# KiCad board board.kicad_pcb (continued)
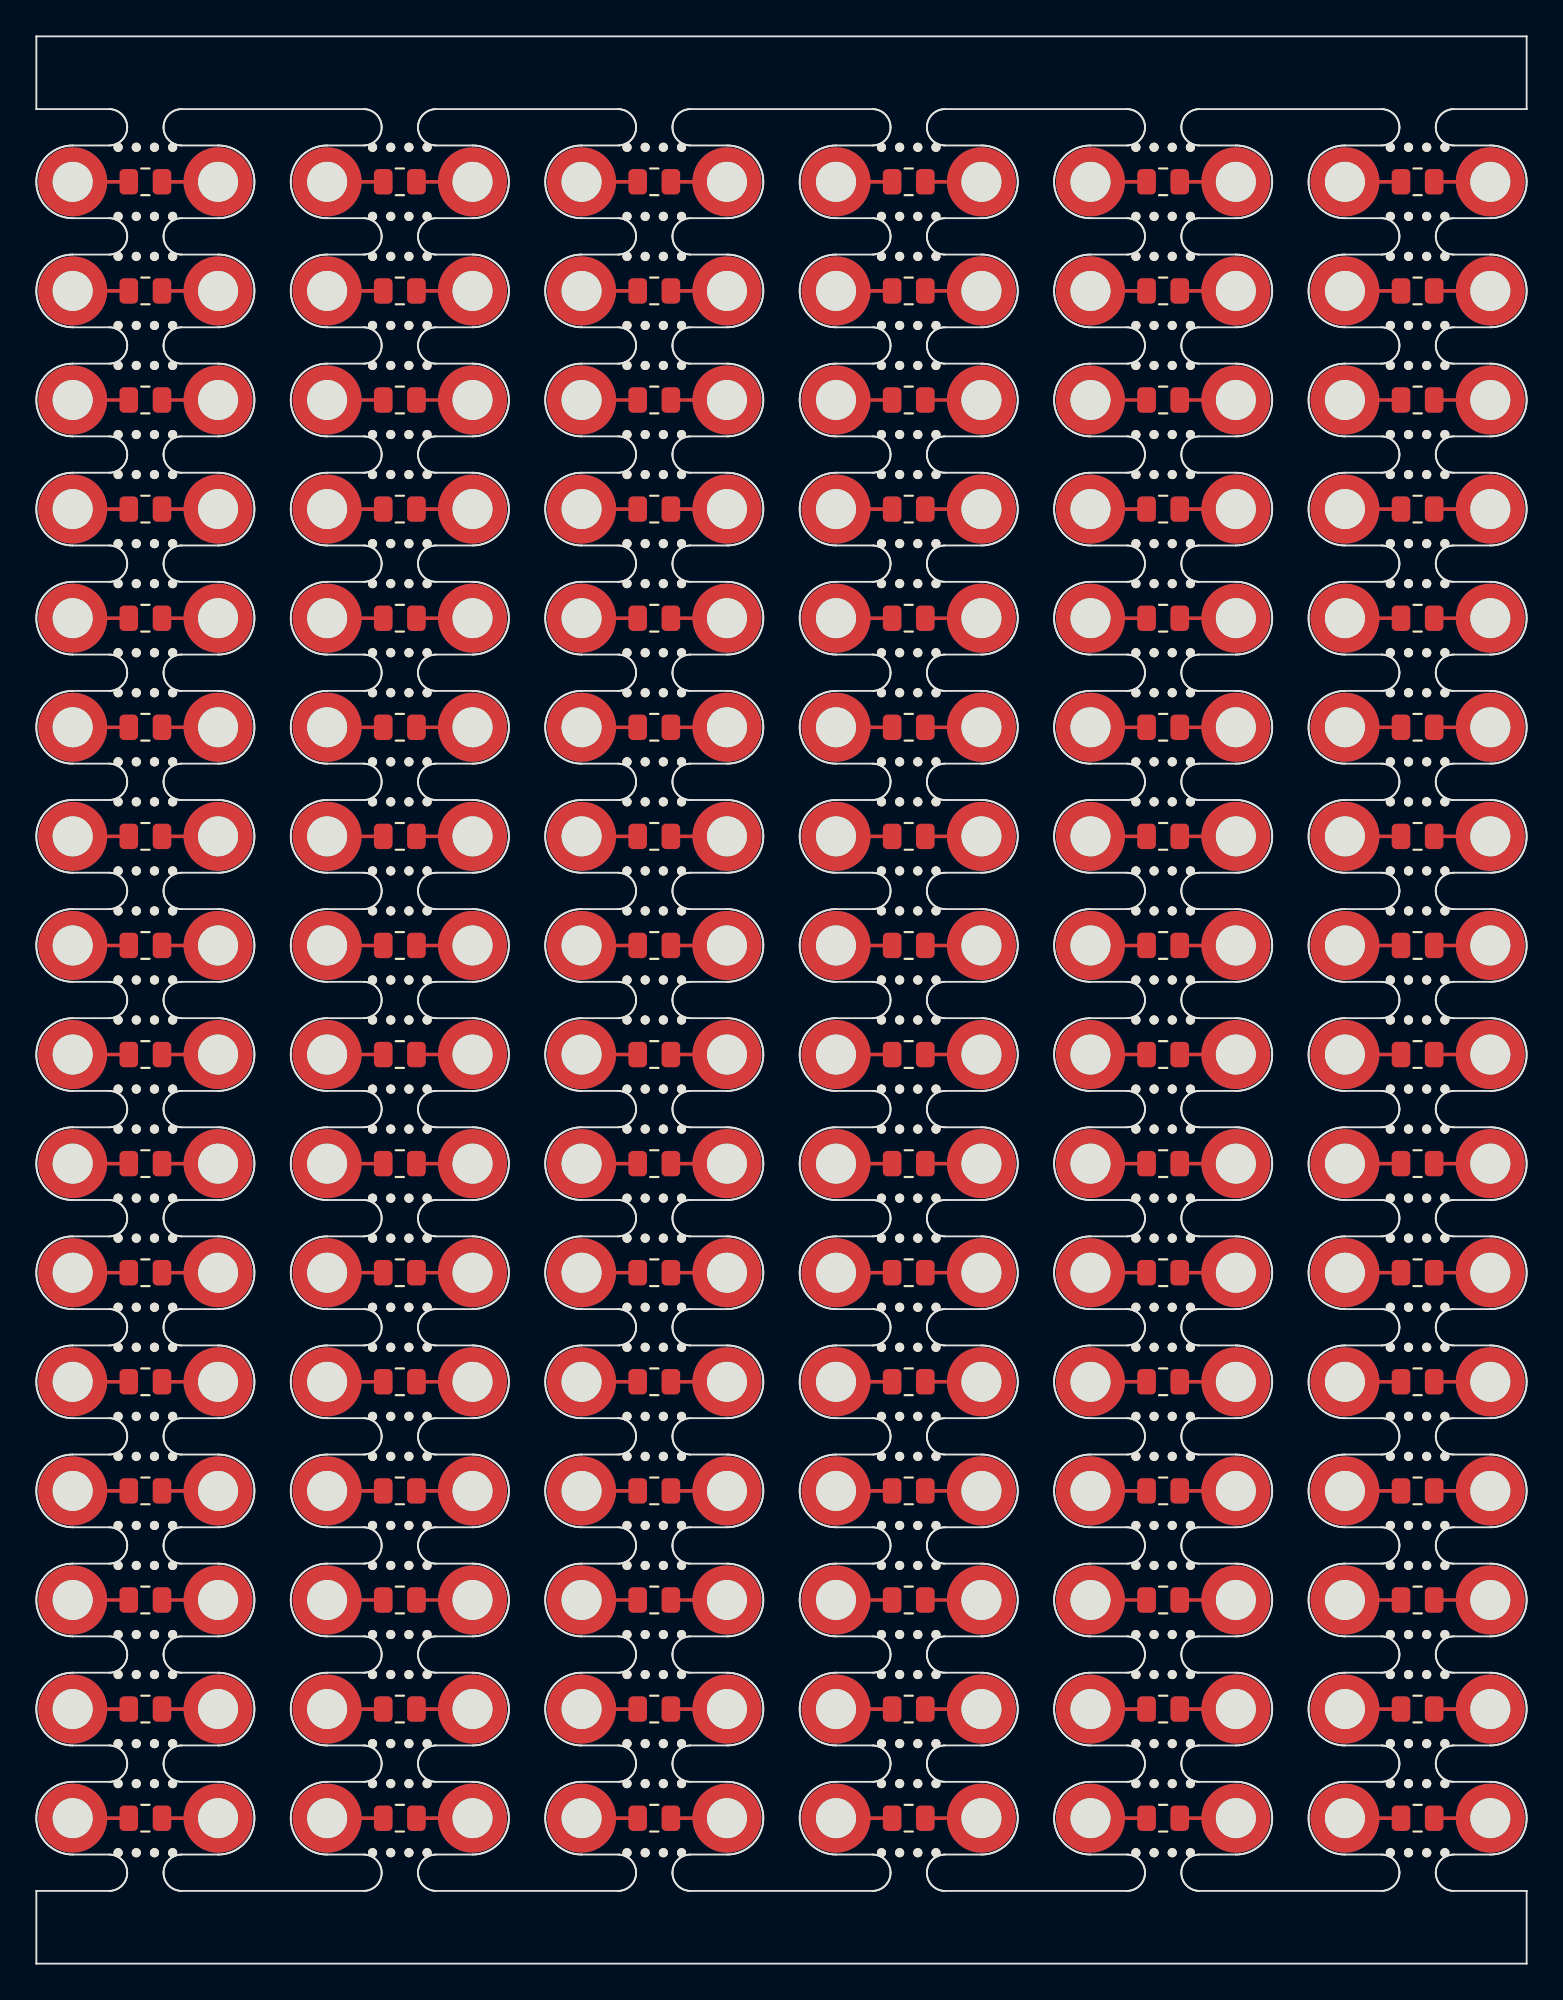
[diagram p0: board, top side]
## Placement (name value [footprint] x y rotation side) (continued)
R1#75  N/A  [R_0805_2012Metric]  62 50 0 top
R1#76  N/A  [R_0805_2012Metric]  76 8 0 top
R1#77  N/A  [R_0805_2012Metric]  20 20 0 top
R1#78  N/A  [R_0805_2012Metric]  6 14 0 top
R1#79  N/A  [R_0805_2012Metric]  20 80 0 top
R1#80  N/A  [R_0805_2012Metric]  6 68 0 top
R1#81  N/A  [R_0805_2012Metric]  34 98 0 top
R1#82  N/A  [R_0805_2012Metric]  20 38 0 top
R1#83  N/A  [R_0805_2012Metric]  6 80 0 top
R1#84  N/A  [R_0805_2012Metric]  20 56 0 top
R1#85  N/A  [R_0805_2012Metric]  48 92 0 top
R1#86  N/A  [R_0805_2012Metric]  76 14 0 top
R1#87  N/A  [R_0805_2012Metric]  34 86 0 top
R1#88  N/A  [R_0805_2012Metric]  48 38 0 top
R1#89  N/A  [R_0805_2012Metric]  62 92 0 top
R1#90  N/A  [R_0805_2012Metric]  34 74 0 top
R1#91  N/A  [R_0805_2012Metric]  62 32 0 top
R1#92  N/A  [R_0805_2012Metric]  62 98 0 top
R1#93  N/A  [R_0805_2012Metric]  48 50 0 top
R1#94  N/A  [R_0805_2012Metric]  62 20 0 top
R1#95  N/A  [R_0805_2012Metric]  34 44 0 top
R1#96  N/A  [R_0805_2012Metric]  6 74 0 top

## Library data of the parts
H1 H1#2-H1#96 H2 H2#2-H2#96 = -: Description: Mounting Hole with connection; KiLib_Generator: mounting_hardware/mounting_hole; ki_fp_filters: MountingHole*Pad*
R1 R1#2-R1#96 = -: Description: Resistor, US symbol; KiLib_Generator: SMD_2terminal_chip_molded; ki_fp_filters: R_*

## Footprints (pads in the part's own frame, mm; a bottom-side part is the same pattern mirrored in y, then rotated)
MountingHole_2.2mm_M2_DIN965_Pad
  round 3.8 hole 2.2: 1(0,0)
NPTH
  round 0.5 hole 0.5 unplated: (0,0)
R_0805_2012Metric
  rrect 1.025x1.4 smd: 1(-0.912,0) 2(0.912,0)

## Nets
Board_0-Net-(H1-Pad1): H1#12.1 R1#7.1
Board_0-Net-(H2-Pad1): H2#38.1 R1#7.2
Board_1-Net-(H1-Pad1): H1#64.1 R1#35.1
Board_1-Net-(H2-Pad1): H2#70.1 R1#35.2
Board_2-Net-(H1-Pad1): H1#86.1 R1#81.1
Board_2-Net-(H2-Pad1): H2#55.1 R1#81.2
Board_3-Net-(H1-Pad1): H1#23.1 R1#54.1
Board_3-Net-(H2-Pad1): H2#67.1 R1#54.2
Board_4-Net-(H1-Pad1): H1#93.1 R1#92.1
Board_4-Net-(H2-Pad1): H2#11.1 R1#92.2
Board_5-Net-(H1-Pad1): H1#51.1 R1#49.1
Board_5-Net-(H2-Pad1): H2.1 R1#49.2
Board_6-Net-(H1-Pad1): H1#78.1 R1#62.1
Board_6-Net-(H2-Pad1): H2#78.1 R1#62.2
Board_7-Net-(H1-Pad1): H1#94.1 R1#31.1
Board_7-Net-(H2-Pad1): H2#6.1 R1#31.2
Board_8-Net-(H1-Pad1): H1#37.1 R1#56.1
Board_8-Net-(H2-Pad1): H2#26.1 R1#56.2
Board_9-Net-(H1-Pad1): H1#74.1 R1#85.1
Board_9-Net-(H2-Pad1): H2#4.1 R1#85.2
Board_10-Net-(H1-Pad1): H1#27.1 R1#89.1
Board_10-Net-(H2-Pad1): H2#44.1 R1#89.2
Board_11-Net-(H1-Pad1): H1#56.1 R1#29.1
Board_11-Net-(H2-Pad1): H2#5.1 R1#29.2
Board_12-Net-(H1-Pad1): H1#43.1 R1#46.1
Board_12-Net-(H2-Pad1): H2#74.1 R1#46.2
Board_13-Net-(H1-Pad1): H1#53.1 R1#72.1
Board_13-Net-(H2-Pad1): H2#77.1 R1#72.2
Board_14-Net-(H1-Pad1): H1#65.1 R1#87.1
Board_14-Net-(H2-Pad1): H2#82.1 R1#87.2
Board_15-Net-(H1-Pad1): H1#7.1 R1#33.1
Board_15-Net-(H2-Pad1): H2#32.1 R1#33.2
Board_16-Net-(H1-Pad1): H1#68.1 R1#25.1
Board_16-Net-(H2-Pad1): H2#21.1 R1#25.2
Board_17-Net-(H1-Pad1): H1#46.1 R1#26.1
Board_17-Net-(H2-Pad1): H2#22.1 R1#26.2
Board_18-Net-(H1-Pad1): H1#77.1 R1#83.1
Board_18-Net-(H2-Pad1): H2#57.1 R1#83.2
Board_19-Net-(H1-Pad1): H1#18.1 R1#79.1
Board_19-Net-(H2-Pad1): H2#46.1 R1#79.2
Board_20-Net-(H1-Pad1): H1#45.1 R1#18.1
Board_20-Net-(H2-Pad1): H2#69.1 R1#18.2
Board_21-Net-(H1-Pad1): H1#57.1 R1#38.1
Board_21-Net-(H2-Pad1): H2#85.1 R1#38.2
Board_22-Net-(H1-Pad1): H1#13.1 R1#13.1
Board_22-Net-(H2-Pad1): H2#95.1 R1#13.2
Board_23-Net-(H1-Pad1): H1#42.1 R1#67.1
Board_23-Net-(H2-Pad1): H2#39.1 R1#67.2
Board_24-Net-(H1-Pad1): H1#49.1 R1#96.1
Board_24-Net-(H2-Pad1): H2#89.1 R1#96.2
Board_25-Net-(H1-Pad1): H1#76.1 R1#50.1
Board_25-Net-(H2-Pad1): H2#10.1 R1#50.2
Board_26-Net-(H1-Pad1): H1#90.1 R1#90.1
Board_26-Net-(H2-Pad1): H2#62.1 R1#90.2
Board_27-Net-(H1-Pad1): H1#19.1 R1#14.1
Board_27-Net-(H2-Pad1): H2#37.1 R1#14.2
Board_28-Net-(H1-Pad1): H1#22.1 R1#52.1
Board_28-Net-(H2-Pad1): H2#53.1 R1#52.2
Board_29-Net-(H1-Pad1): H1#48.1 R1#66.1
Board_29-Net-(H2-Pad1): H2#59.1 R1#66.2
Board_30-Net-(H1-Pad1): H1#21.1 R1#80.1
Board_30-Net-(H2-Pad1): H2#17.1 R1#80.2
Board_31-Net-(H1-Pad1): H1#17.1 R1#43.1
Board_31-Net-(H2-Pad1): H2#2.1 R1#43.2
Board_32-Net-(H1-Pad1): H1#29.1 R1#42.1
Board_32-Net-(H2-Pad1): H2#96.1 R1#42.2
Board_33-Net-(H1-Pad1): H1#10.1 R1#5.1
Board_33-Net-(H2-Pad1): H2#41.1 R1#5.2
Board_34-Net-(H1-Pad1): H1#31.1 R1#64.1
Board_34-Net-(H2-Pad1): H2#9.1 R1#64.2
Board_35-Net-(H1-Pad1): H1#50.1 R1#37.1
Board_35-Net-(H2-Pad1): H2#80.1 R1#37.2
Board_36-Net-(H1-Pad1): H1#39.1 R1#57.1
Board_36-Net-(H2-Pad1): H2#93.1 R1#57.2
Board_37-Net-(H1-Pad1): H1#6.1 R1#47.1
Board_37-Net-(H2-Pad1): H2#73.1 R1#47.2
Board_38-Net-(H1-Pad1): H1#81.1 R1#70.1
Board_38-Net-(H2-Pad1): H2#18.1 R1#70.2
Board_39-Net-(H1-Pad1): H1#11.1 R1#19.1
Board_39-Net-(H2-Pad1): H2#8.1 R1#19.2
Board_40-Net-(H1-Pad1): H1.1 R1#30.1
Board_40-Net-(H2-Pad1): H2#61.1 R1#30.2
Board_41-Net-(H1-Pad1): H1#80.1 R1#74.1
Board_41-Net-(H2-Pad1): H2#7.1 R1#74.2
Board_42-Net-(H1-Pad1): H1#75.1 R1#63.1
Board_42-Net-(H2-Pad1): H2#47.1 R1#63.2
Board_43-Net-(H1-Pad1): H1#40.1 R1#84.1
Board_43-Net-(H2-Pad1): H2#48.1 R1#84.2
Board_44-Net-(H1-Pad1): H1#4.1 R1#3.1
Board_44-Net-(H2-Pad1): H2#24.1 R1#3.2
Board_45-Net-(H1-Pad1): H1#47.1 R1.1
Board_45-Net-(H2-Pad1): H2#56.1 R1.2
Board_46-Net-(H1-Pad1): H1#30.1 R1#15.1
Board_46-Net-(H2-Pad1): H2#14.1 R1#15.2
Board_47-Net-(H1-Pad1): H1#88.1 R1#36.1
Board_47-Net-(H2-Pad1): H2#31.1 R1#36.2
Board_48-Net-(H1-Pad1): H1#89.1 R1#10.1
Board_48-Net-(H2-Pad1): H2#66.1 R1#10.2
Board_49-Net-(H1-Pad1): H1#38.1 R1#39.1
Board_49-Net-(H2-Pad1): H2#30.1 R1#39.2
Board_50-Net-(H1-Pad1): H1#44.1 R1#58.1
Board_50-Net-(H2-Pad1): H2#51.1 R1#58.2
Board_51-Net-(H1-Pad1): H1#20.1 R1#93.1
Board_51-Net-(H2-Pad1): H2#36.1 R1#93.2
Board_52-Net-(H1-Pad1): H1#66.1 R1#75.1
Board_52-Net-(H2-Pad1): H2#68.1 R1#75.2
Board_53-Net-(H1-Pad1): H1#62.1 R1#69.1
Board_53-Net-(H2-Pad1): H2#86.1 R1#69.2
Board_54-Net-(H1-Pad1): H1#8.1 R1#28.1
Board_54-Net-(H2-Pad1): H2#72.1 R1#28.2
Board_55-Net-(H1-Pad1): H1#54.1 R1#53.1
Board_55-Net-(H2-Pad1): H2#20.1 R1#53.2
Board_56-Net-(H1-Pad1): H1#69.1 R1#95.1
Board_56-Net-(H2-Pad1): H2#75.1 R1#95.2
Board_57-Net-(H1-Pad1): H1#96.1 R1#34.1
Board_57-Net-(H2-Pad1): H2#65.1 R1#34.2
Board_58-Net-(H1-Pad1): H1#35.1 R1#20.1
Board_58-Net-(H2-Pad1): H2#13.1 R1#20.2
Board_59-Net-(H1-Pad1): H1#87.1 R1#6.1
Board_59-Net-(H2-Pad1): H2#12.1 R1#6.2
Board_60-Net-(H1-Pad1): H1#32.1 R1#16.1
Board_60-Net-(H2-Pad1): H2#88.1 R1#16.2
Board_61-Net-(H1-Pad1): H1#33.1 R1#82.1
Board_61-Net-(H2-Pad1): H2#90.1 R1#82.2
Board_62-Net-(H1-Pad1): H1#14.1 R1#32.1
Board_62-Net-(H2-Pad1): H2#27.1 R1#32.2
Board_63-Net-(H1-Pad1): H1#92.1 R1#88.1
Board_63-Net-(H2-Pad1): H2#87.1 R1#88.2
Board_64-Net-(H1-Pad1): H1#9.1 R1#2.1
Board_64-Net-(H2-Pad1): H2#25.1 R1#2.2
Board_65-Net-(H1-Pad1): H1#70.1 R1#61.1
Board_65-Net-(H2-Pad1): H2#45.1 R1#61.2
Board_66-Net-(H1-Pad1): H1#28.1 R1#21.1
Board_66-Net-(H2-Pad1): H2#60.1 R1#21.2
Board_67-Net-(H1-Pad1): H1#84.1 R1#11.1
Board_67-Net-(H2-Pad1): H2#28.1 R1#11.2
Board_68-Net-(H1-Pad1): H1#52.1 R1#9.1
Board_68-Net-(H2-Pad1): H2#29.1 R1#9.2
Board_69-Net-(H1-Pad1): H1#24.1 R1#55.1
Board_69-Net-(H2-Pad1): H2#58.1 R1#55.2
Board_70-Net-(H1-Pad1): H1#16.1 R1#91.1
Board_70-Net-(H2-Pad1): H2#84.1 R1#91.2
Board_71-Net-(H1-Pad1): H1#59.1 R1#60.1
Board_71-Net-(H2-Pad1): H2#3.1 R1#60.2
Board_72-Net-(H1-Pad1): H1#58.1 R1#12.1
Board_72-Net-(H2-Pad1): H2#54.1 R1#12.2
Board_73-Net-(H1-Pad1): H1#3.1 R1#27.1
Board_73-Net-(H2-Pad1): H2#50.1 R1#27.2
Board_74-Net-(H1-Pad1): H1#2.1 R1#8.1
Board_74-Net-(H2-Pad1): H2#33.1 R1#8.2
Board_75-Net-(H1-Pad1): H1#67.1 R1#41.1
Board_75-Net-(H2-Pad1): H2#76.1 R1#41.2
Board_76-Net-(H1-Pad1): H1#71.1 R1#65.1
Board_76-Net-(H2-Pad1): H2#43.1 R1#65.2
Board_77-Net-(H1-Pad1): H1#95.1 R1#71.1
Board_77-Net-(H2-Pad1): H2#71.1 R1#71.2
Board_78-Net-(H1-Pad1): H1#60.1 R1#45.1
Board_78-Net-(H2-Pad1): H2#91.1 R1#45.2
Board_79-Net-(H1-Pad1): H1#26.1 R1#77.1
Board_79-Net-(H2-Pad1): H2#35.1 R1#77.2
Board_80-Net-(H1-Pad1): H1#83.1 R1#23.1
Board_80-Net-(H2-Pad1): H2#16.1 R1#23.2
Board_81-Net-(H1-Pad1): H1#41.1 R1#48.1
Board_81-Net-(H2-Pad1): H2#79.1 R1#48.2
Board_82-Net-(H1-Pad1): H1#82.1 R1#94.1
Board_82-Net-(H2-Pad1): H2#49.1 R1#94.2
Board_83-Net-(H1-Pad1): H1#72.1 R1#73.1
Board_83-Net-(H2-Pad1): H2#63.1 R1#73.2
Board_84-Net-(H1-Pad1): H1#25.1 R1#78.1
Board_84-Net-(H2-Pad1): H2#19.1 R1#78.2
Board_85-Net-(H1-Pad1): H1#34.1 R1#22.1
Board_85-Net-(H2-Pad1): H2#81.1 R1#22.2
Board_86-Net-(H1-Pad1): H1#63.1 R1#44.1
Board_86-Net-(H2-Pad1): H2#40.1 R1#44.2
Board_87-Net-(H1-Pad1): H1#55.1 R1#4.1
Board_87-Net-(H2-Pad1): H2#94.1 R1#4.2
Board_88-Net-(H1-Pad1): H1#36.1 R1#24.1
Board_88-Net-(H2-Pad1): H2#64.1 R1#24.2
Board_89-Net-(H1-Pad1): H1#61.1 R1#86.1
Board_89-Net-(H2-Pad1): H2#23.1 R1#86.2
Board_90-Net-(H1-Pad1): H1#85.1 R1#51.1
Board_90-Net-(H2-Pad1): H2#15.1 R1#51.2
Board_91-Net-(H1-Pad1): H1#15.1 R1#17.1
Board_91-Net-(H2-Pad1): H2#92.1 R1#17.2
Board_92-Net-(H1-Pad1): H1#79.1 R1#59.1
Board_92-Net-(H2-Pad1): H2#34.1 R1#59.2
Board_93-Net-(H1-Pad1): H1#91.1 R1#68.1
Board_93-Net-(H2-Pad1): H2#83.1 R1#68.2
Board_94-Net-(H1-Pad1): H1#5.1 R1#40.1
Board_94-Net-(H2-Pad1): H2#52.1 R1#40.2
Board_95-Net-(H1-Pad1): H1#73.1 R1#76.1
Board_95-Net-(H2-Pad1): H2#42.1 R1#76.2

## Routing (per net, layer and track width the routed paths; a pad name or vN(x,y) marks a point on that pad's centre or on a via; arc(x,y) is an arc through that point)
Board_0-Net-(H1-Pad1): length 3.1
  Top w0.2: R1#7.1 H1#12.1
Board_0-Net-(H2-Pad1): length 3.1
  Top w0.2: R1#7.2 H2#38.1
Board_1-Net-(H1-Pad1): length 3.1
  Top w0.2: R1#35.1 H1#64.1
Board_1-Net-(H2-Pad1): length 3.1
  Top w0.2: R1#35.2 H2#70.1
Board_2-Net-(H1-Pad1): length 3.1
  Top w0.2: R1#81.1 H1#86.1
Board_2-Net-(H2-Pad1): length 3.1
  Top w0.2: R1#81.2 H2#55.1
Board_3-Net-(H1-Pad1): length 3.1
  Top w0.2: R1#54.1 H1#23.1
Board_3-Net-(H2-Pad1): length 3.1
  Top w0.2: R1#54.2 H2#67.1
Board_4-Net-(H1-Pad1): length 3.1
  Top w0.2: R1#92.1 H1#93.1
Board_4-Net-(H2-Pad1): length 3.1
  Top w0.2: R1#92.2 H2#11.1
Board_5-Net-(H1-Pad1): length 3.1
  Top w0.2: R1#49.1 H1#51.1
Board_5-Net-(H2-Pad1): length 3.1
  Top w0.2: R1#49.2 H2.1
Board_6-Net-(H1-Pad1): length 3.1
  Top w0.2: R1#62.1 H1#78.1
Board_6-Net-(H2-Pad1): length 3.1
  Top w0.2: R1#62.2 H2#78.1
Board_7-Net-(H1-Pad1): length 3.1
  Top w0.2: R1#31.1 H1#94.1
Board_7-Net-(H2-Pad1): length 3.1
  Top w0.2: R1#31.2 H2#6.1
Board_8-Net-(H1-Pad1): length 3.1
  Top w0.2: R1#56.1 H1#37.1
Board_8-Net-(H2-Pad1): length 3.1
  Top w0.2: R1#56.2 H2#26.1
Board_9-Net-(H1-Pad1): length 3.1
  Top w0.2: R1#85.1 H1#74.1
Board_9-Net-(H2-Pad1): length 3.1
  Top w0.2: R1#85.2 H2#4.1
Board_10-Net-(H1-Pad1): length 3.1
  Top w0.2: R1#89.1 H1#27.1
Board_10-Net-(H2-Pad1): length 3.1
  Top w0.2: R1#89.2 H2#44.1
Board_11-Net-(H1-Pad1): length 3.1
  Top w0.2: R1#29.1 H1#56.1
Board_11-Net-(H2-Pad1): length 3.1
  Top w0.2: R1#29.2 H2#5.1
Board_12-Net-(H1-Pad1): length 3.1
  Top w0.2: R1#46.1 H1#43.1
Board_12-Net-(H2-Pad1): length 3.1
  Top w0.2: R1#46.2 H2#74.1
Board_13-Net-(H1-Pad1): length 3.1
  Top w0.2: R1#72.1 H1#53.1
Board_13-Net-(H2-Pad1): length 3.1
  Top w0.2: R1#72.2 H2#77.1
Board_14-Net-(H1-Pad1): length 3.1
  Top w0.2: R1#87.1 H1#65.1
Board_14-Net-(H2-Pad1): length 3.1
  Top w0.2: R1#87.2 H2#82.1
Board_15-Net-(H1-Pad1): length 3.1
  Top w0.2: R1#33.1 H1#7.1
Board_15-Net-(H2-Pad1): length 3.1
  Top w0.2: R1#33.2 H2#32.1
Board_16-Net-(H1-Pad1): length 3.1
  Top w0.2: R1#25.1 H1#68.1
Board_16-Net-(H2-Pad1): length 3.1
  Top w0.2: R1#25.2 H2#21.1
Board_17-Net-(H1-Pad1): length 3.1
  Top w0.2: R1#26.1 H1#46.1
Board_17-Net-(H2-Pad1): length 3.1
  Top w0.2: R1#26.2 H2#22.1
Board_18-Net-(H1-Pad1): length 3.1
  Top w0.2: R1#83.1 H1#77.1
Board_18-Net-(H2-Pad1): length 3.1
  Top w0.2: R1#83.2 H2#57.1
Board_19-Net-(H1-Pad1): length 3.1
  Top w0.2: R1#79.1 H1#18.1
Board_19-Net-(H2-Pad1): length 3.1
  Top w0.2: R1#79.2 H2#46.1
Board_20-Net-(H1-Pad1): length 3.1
  Top w0.2: R1#18.1 H1#45.1
Board_20-Net-(H2-Pad1): length 3.1
  Top w0.2: R1#18.2 H2#69.1
Board_21-Net-(H1-Pad1): length 3.1
  Top w0.2: R1#38.1 H1#57.1
Board_21-Net-(H2-Pad1): length 3.1
  Top w0.2: R1#38.2 H2#85.1
Board_22-Net-(H1-Pad1): length 3.1
  Top w0.2: R1#13.1 H1#13.1
Board_22-Net-(H2-Pad1): length 3.1
  Top w0.2: R1#13.2 H2#95.1
Board_23-Net-(H1-Pad1): length 3.1
  Top w0.2: R1#67.1 H1#42.1
Board_23-Net-(H2-Pad1): length 3.1
  Top w0.2: R1#67.2 H2#39.1
Board_24-Net-(H1-Pad1): length 3.1
  Top w0.2: R1#96.1 H1#49.1
Board_24-Net-(H2-Pad1): length 3.1
  Top w0.2: R1#96.2 H2#89.1
Board_25-Net-(H1-Pad1): length 3.1
  Top w0.2: R1#50.1 H1#76.1
Board_25-Net-(H2-Pad1): length 3.1
  Top w0.2: R1#50.2 H2#10.1
Board_26-Net-(H1-Pad1): length 3.1
  Top w0.2: R1#90.1 H1#90.1
Board_26-Net-(H2-Pad1): length 3.1
  Top w0.2: R1#90.2 H2#62.1
Board_27-Net-(H1-Pad1): length 3.1
  Top w0.2: R1#14.1 H1#19.1
Board_27-Net-(H2-Pad1): length 3.1
  Top w0.2: R1#14.2 H2#37.1
Board_28-Net-(H1-Pad1): length 3.1
  Top w0.2: R1#52.1 H1#22.1
Board_28-Net-(H2-Pad1): length 3.1
  Top w0.2: R1#52.2 H2#53.1
Board_29-Net-(H1-Pad1): length 3.1
  Top w0.2: R1#66.1 H1#48.1
Board_29-Net-(H2-Pad1): length 3.1
  Top w0.2: R1#66.2 H2#59.1
Board_30-Net-(H1-Pad1): length 3.1
  Top w0.2: R1#80.1 H1#21.1
Board_30-Net-(H2-Pad1): length 3.1
  Top w0.2: R1#80.2 H2#17.1
Board_31-Net-(H1-Pad1): length 3.1
  Top w0.2: R1#43.1 H1#17.1
Board_31-Net-(H2-Pad1): length 3.1
  Top w0.2: R1#43.2 H2#2.1
Board_32-Net-(H1-Pad1): length 3.1
  Top w0.2: R1#42.1 H1#29.1
Board_32-Net-(H2-Pad1): length 3.1
  Top w0.2: R1#42.2 H2#96.1
Board_33-Net-(H1-Pad1): length 3.1
  Top w0.2: R1#5.1 H1#10.1
Board_33-Net-(H2-Pad1): length 3.1
  Top w0.2: R1#5.2 H2#41.1
Board_34-Net-(H1-Pad1): length 3.1
  Top w0.2: R1#64.1 H1#31.1
Board_34-Net-(H2-Pad1): length 3.1
  Top w0.2: R1#64.2 H2#9.1
Board_35-Net-(H1-Pad1): length 3.1
  Top w0.2: R1#37.1 H1#50.1
Board_35-Net-(H2-Pad1): length 3.1
  Top w0.2: R1#37.2 H2#80.1
Board_36-Net-(H1-Pad1): length 3.1
  Top w0.2: R1#57.1 H1#39.1
Board_36-Net-(H2-Pad1): length 3.1
  Top w0.2: R1#57.2 H2#93.1
Board_37-Net-(H1-Pad1): length 3.1
  Top w0.2: R1#47.1 H1#6.1
Board_37-Net-(H2-Pad1): length 3.1
  Top w0.2: R1#47.2 H2#73.1
Board_38-Net-(H1-Pad1): length 3.1
  Top w0.2: R1#70.1 H1#81.1
Board_38-Net-(H2-Pad1): length 3.1
  Top w0.2: R1#70.2 H2#18.1
Board_39-Net-(H1-Pad1): length 3.1
  Top w0.2: R1#19.1 H1#11.1
Board_39-Net-(H2-Pad1): length 3.1
  Top w0.2: R1#19.2 H2#8.1
Board_40-Net-(H1-Pad1): length 3.1
  Top w0.2: R1#30.1 H1.1
Board_40-Net-(H2-Pad1): length 3.1
  Top w0.2: R1#30.2 H2#61.1
Board_41-Net-(H1-Pad1): length 3.1
  Top w0.2: R1#74.1 H1#80.1
Board_41-Net-(H2-Pad1): length 3.1
  Top w0.2: R1#74.2 H2#7.1
Board_42-Net-(H1-Pad1): length 3.1
  Top w0.2: R1#63.1 H1#75.1
Board_42-Net-(H2-Pad1): length 3.1
  Top w0.2: R1#63.2 H2#47.1
Board_43-Net-(H1-Pad1): length 3.1
  Top w0.2: R1#84.1 H1#40.1
Board_43-Net-(H2-Pad1): length 3.1
  Top w0.2: R1#84.2 H2#48.1
Board_44-Net-(H1-Pad1): length 3.1
  Top w0.2: R1#3.1 H1#4.1
Board_44-Net-(H2-Pad1): length 3.1
  Top w0.2: R1#3.2 H2#24.1
Board_45-Net-(H1-Pad1): length 3.1
  Top w0.2: R1.1 H1#47.1
Board_45-Net-(H2-Pad1): length 3.1
  Top w0.2: R1.2 H2#56.1
Board_46-Net-(H1-Pad1): length 3.1
  Top w0.2: R1#15.1 H1#30.1
Board_46-Net-(H2-Pad1): length 3.1
  Top w0.2: R1#15.2 H2#14.1
Board_47-Net-(H1-Pad1): length 3.1
  Top w0.2: R1#36.1 H1#88.1
Board_47-Net-(H2-Pad1): length 3.1
  Top w0.2: R1#36.2 H2#31.1
Board_48-Net-(H1-Pad1): length 3.1
  Top w0.2: R1#10.1 H1#89.1
Board_48-Net-(H2-Pad1): length 3.1
  Top w0.2: R1#10.2 H2#66.1
Board_49-Net-(H1-Pad1): length 3.1
  Top w0.2: R1#39.1 H1#38.1
Board_49-Net-(H2-Pad1): length 3.1
  Top w0.2: R1#39.2 H2#30.1
Board_50-Net-(H1-Pad1): length 3.1
  Top w0.2: R1#58.1 H1#44.1
Board_50-Net-(H2-Pad1): length 3.1
  Top w0.2: R1#58.2 H2#51.1
Board_51-Net-(H1-Pad1): length 3.1
  Top w0.2: R1#93.1 H1#20.1
Board_51-Net-(H2-Pad1): length 3.1
  Top w0.2: R1#93.2 H2#36.1
Board_52-Net-(H1-Pad1): length 3.1
  Top w0.2: R1#75.1 H1#66.1
Board_52-Net-(H2-Pad1): length 3.1
  Top w0.2: R1#75.2 H2#68.1
Board_53-Net-(H1-Pad1): length 3.1
  Top w0.2: R1#69.1 H1#62.1
Board_53-Net-(H2-Pad1): length 3.1
  Top w0.2: R1#69.2 H2#86.1
Board_54-Net-(H1-Pad1): length 3.1
  Top w0.2: R1#28.1 H1#8.1
Board_54-Net-(H2-Pad1): length 3.1
  Top w0.2: R1#28.2 H2#72.1
Board_55-Net-(H1-Pad1): length 3.1
  Top w0.2: R1#53.1 H1#54.1
Board_55-Net-(H2-Pad1): length 3.1
  Top w0.2: R1#53.2 H2#20.1
Board_56-Net-(H1-Pad1): length 3.1
  Top w0.2: R1#95.1 H1#69.1
Board_56-Net-(H2-Pad1): length 3.1
  Top w0.2: R1#95.2 H2#75.1
Board_57-Net-(H1-Pad1): length 3.1
  Top w0.2: R1#34.1 H1#96.1
Board_57-Net-(H2-Pad1): length 3.1
  Top w0.2: R1#34.2 H2#65.1
Board_58-Net-(H1-Pad1): length 3.1
  Top w0.2: R1#20.1 H1#35.1
Board_58-Net-(H2-Pad1): length 3.1
  Top w0.2: R1#20.2 H2#13.1
Board_59-Net-(H1-Pad1): length 3.1
  Top w0.2: R1#6.1 H1#87.1
Board_59-Net-(H2-Pad1): length 3.1
  Top w0.2: R1#6.2 H2#12.1
Board_60-Net-(H1-Pad1): length 3.1
  Top w0.2: R1#16.1 H1#32.1
Board_60-Net-(H2-Pad1): length 3.1
  Top w0.2: R1#16.2 H2#88.1
Board_61-Net-(H1-Pad1): length 3.1
  Top w0.2: R1#82.1 H1#33.1
Board_61-Net-(H2-Pad1): length 3.1
  Top w0.2: R1#82.2 H2#90.1
Board_62-Net-(H1-Pad1): length 3.1
  Top w0.2: R1#32.1 H1#14.1
Board_62-Net-(H2-Pad1): length 3.1
  Top w0.2: R1#32.2 H2#27.1
Board_63-Net-(H1-Pad1): length 3.1
  Top w0.2: R1#88.1 H1#92.1
Board_63-Net-(H2-Pad1): length 3.1
  Top w0.2: R1#88.2 H2#87.1
Board_64-Net-(H1-Pad1): length 3.1
  Top w0.2: R1#2.1 H1#9.1
Board_64-Net-(H2-Pad1): length 3.1
  Top w0.2: R1#2.2 H2#25.1
Board_65-Net-(H1-Pad1): length 3.1
  Top w0.2: R1#61.1 H1#70.1
Board_65-Net-(H2-Pad1): length 3.1
  Top w0.2: R1#61.2 H2#45.1
Board_66-Net-(H1-Pad1): length 3.1
  Top w0.2: R1#21.1 H1#28.1
Board_66-Net-(H2-Pad1): length 3.1
  Top w0.2: R1#21.2 H2#60.1
Board_67-Net-(H1-Pad1): length 3.1
  Top w0.2: R1#11.1 H1#84.1
Board_67-Net-(H2-Pad1): length 3.1
  Top w0.2: R1#11.2 H2#28.1
Board_68-Net-(H1-Pad1): length 3.1
  Top w0.2: R1#9.1 H1#52.1
Board_68-Net-(H2-Pad1): length 3.1
  Top w0.2: R1#9.2 H2#29.1
Board_69-Net-(H1-Pad1): length 3.1
  Top w0.2: R1#55.1 H1#24.1
Board_69-Net-(H2-Pad1): length 3.1
  Top w0.2: R1#55.2 H2#58.1
Board_70-Net-(H1-Pad1): length 3.1
  Top w0.2: R1#91.1 H1#16.1
Board_70-Net-(H2-Pad1): length 3.1
  Top w0.2: R1#91.2 H2#84.1
Board_71-Net-(H1-Pad1): length 3.1
  Top w0.2: R1#60.1 H1#59.1
Board_71-Net-(H2-Pad1): length 3.1
  Top w0.2: R1#60.2 H2#3.1
Board_72-Net-(H1-Pad1): length 3.1
  Top w0.2: R1#12.1 H1#58.1
Board_72-Net-(H2-Pad1): length 3.1
  Top w0.2: R1#12.2 H2#54.1
Board_73-Net-(H1-Pad1): length 3.1
  Top w0.2: R1#27.1 H1#3.1
Board_73-Net-(H2-Pad1): length 3.1
  Top w0.2: R1#27.2 H2#50.1
Board_74-Net-(H1-Pad1): length 3.1
  Top w0.2: R1#8.1 H1#2.1
Board_74-Net-(H2-Pad1): length 3.1
  Top w0.2: R1#8.2 H2#33.1
Board_75-Net-(H1-Pad1): length 3.1
  Top w0.2: R1#41.1 H1#67.1
Board_75-Net-(H2-Pad1): length 3.1
  Top w0.2: R1#41.2 H2#76.1
Board_76-Net-(H1-Pad1): length 3.1
  Top w0.2: R1#65.1 H1#71.1
Board_76-Net-(H2-Pad1): length 3.1
  Top w0.2: R1#65.2 H2#43.1
Board_77-Net-(H1-Pad1): length 3.1
  Top w0.2: R1#71.1 H1#95.1
Board_77-Net-(H2-Pad1): length 3.1
  Top w0.2: R1#71.2 H2#71.1
Board_78-Net-(H1-Pad1): length 3.1
  Top w0.2: R1#45.1 H1#60.1
Board_78-Net-(H2-Pad1): length 3.1
  Top w0.2: R1#45.2 H2#91.1
Board_79-Net-(H1-Pad1): length 3.1
  Top w0.2: R1#77.1 H1#26.1
Board_79-Net-(H2-Pad1): length 3.1
  Top w0.2: R1#77.2 H2#35.1
Board_80-Net-(H1-Pad1): length 3.1
  Top w0.2: R1#23.1 H1#83.1
Board_80-Net-(H2-Pad1): length 3.1
  Top w0.2: R1#23.2 H2#16.1
Board_81-Net-(H1-Pad1): length 3.1
  Top w0.2: R1#48.1 H1#41.1
Board_81-Net-(H2-Pad1): length 3.1
  Top w0.2: R1#48.2 H2#79.1
Board_82-Net-(H1-Pad1): length 3.1
  Top w0.2: R1#94.1 H1#82.1
Board_82-Net-(H2-Pad1): length 3.1
  Top w0.2: R1#94.2 H2#49.1
Board_83-Net-(H1-Pad1): length 3.1
  Top w0.2: R1#73.1 H1#72.1
Board_83-Net-(H2-Pad1): length 3.1
  Top w0.2: R1#73.2 H2#63.1
Board_84-Net-(H1-Pad1): length 3.1
  Top w0.2: R1#78.1 H1#25.1
Board_84-Net-(H2-Pad1): length 3.1
  Top w0.2: R1#78.2 H2#19.1
Board_85-Net-(H1-Pad1): length 3.1
  Top w0.2: R1#22.1 H1#34.1
Board_85-Net-(H2-Pad1): length 3.1
  Top w0.2: R1#22.2 H2#81.1
Board_86-Net-(H1-Pad1): length 3.1
  Top w0.2: R1#44.1 H1#63.1
Board_86-Net-(H2-Pad1): length 3.1
  Top w0.2: R1#44.2 H2#40.1
Board_87-Net-(H1-Pad1): length 3.1
  Top w0.2: R1#4.1 H1#55.1
Board_87-Net-(H2-Pad1): length 3.1
  Top w0.2: R1#4.2 H2#94.1
Board_88-Net-(H1-Pad1): length 3.1
  Top w0.2: R1#24.1 H1#36.1
Board_88-Net-(H2-Pad1): length 3.1
  Top w0.2: R1#24.2 H2#64.1
Board_89-Net-(H1-Pad1): length 3.1
  Top w0.2: R1#86.1 H1#61.1
Board_89-Net-(H2-Pad1): length 3.1
  Top w0.2: R1#86.2 H2#23.1
Board_90-Net-(H1-Pad1): length 3.1
  Top w0.2: R1#51.1 H1#85.1
Board_90-Net-(H2-Pad1): length 3.1
  Top w0.2: R1#51.2 H2#15.1
Board_91-Net-(H1-Pad1): length 3.1
  Top w0.2: R1#17.1 H1#15.1
Board_91-Net-(H2-Pad1): length 3.1
  Top w0.2: R1#17.2 H2#92.1
Board_92-Net-(H1-Pad1): length 3.1
  Top w0.2: R1#59.1 H1#79.1
Board_92-Net-(H2-Pad1): length 3.1
  Top w0.2: R1#59.2 H2#34.1
Board_93-Net-(H1-Pad1): length 3.1
  Top w0.2: R1#68.1 H1#91.1
Board_93-Net-(H2-Pad1): length 3.1
  Top w0.2: R1#68.2 H2#83.1
Board_94-Net-(H1-Pad1): length 3.1
  Top w0.2: R1#40.1 H1#5.1
Board_94-Net-(H2-Pad1): length 3.1
  Top w0.2: R1#40.2 H2#52.1
Board_95-Net-(H1-Pad1): length 3.1
  Top w0.2: R1#76.1 H1#73.1
Board_95-Net-(H2-Pad1): length 3.1
  Top w0.2: R1#76.2 H2#42.1

## Text on the board
B.Silkscreen: @flicker / stitch | 0805
Margin: PREVIEW ONLY. PANEL SAVED IN /Users/borisnimcevic/Maker/flicker_stitch/fs_resistor_0805/panel/fs_resistor_0805_panel.kicad_pcb
